# KiCad board KeyBoard.kicad_pcb (continued)
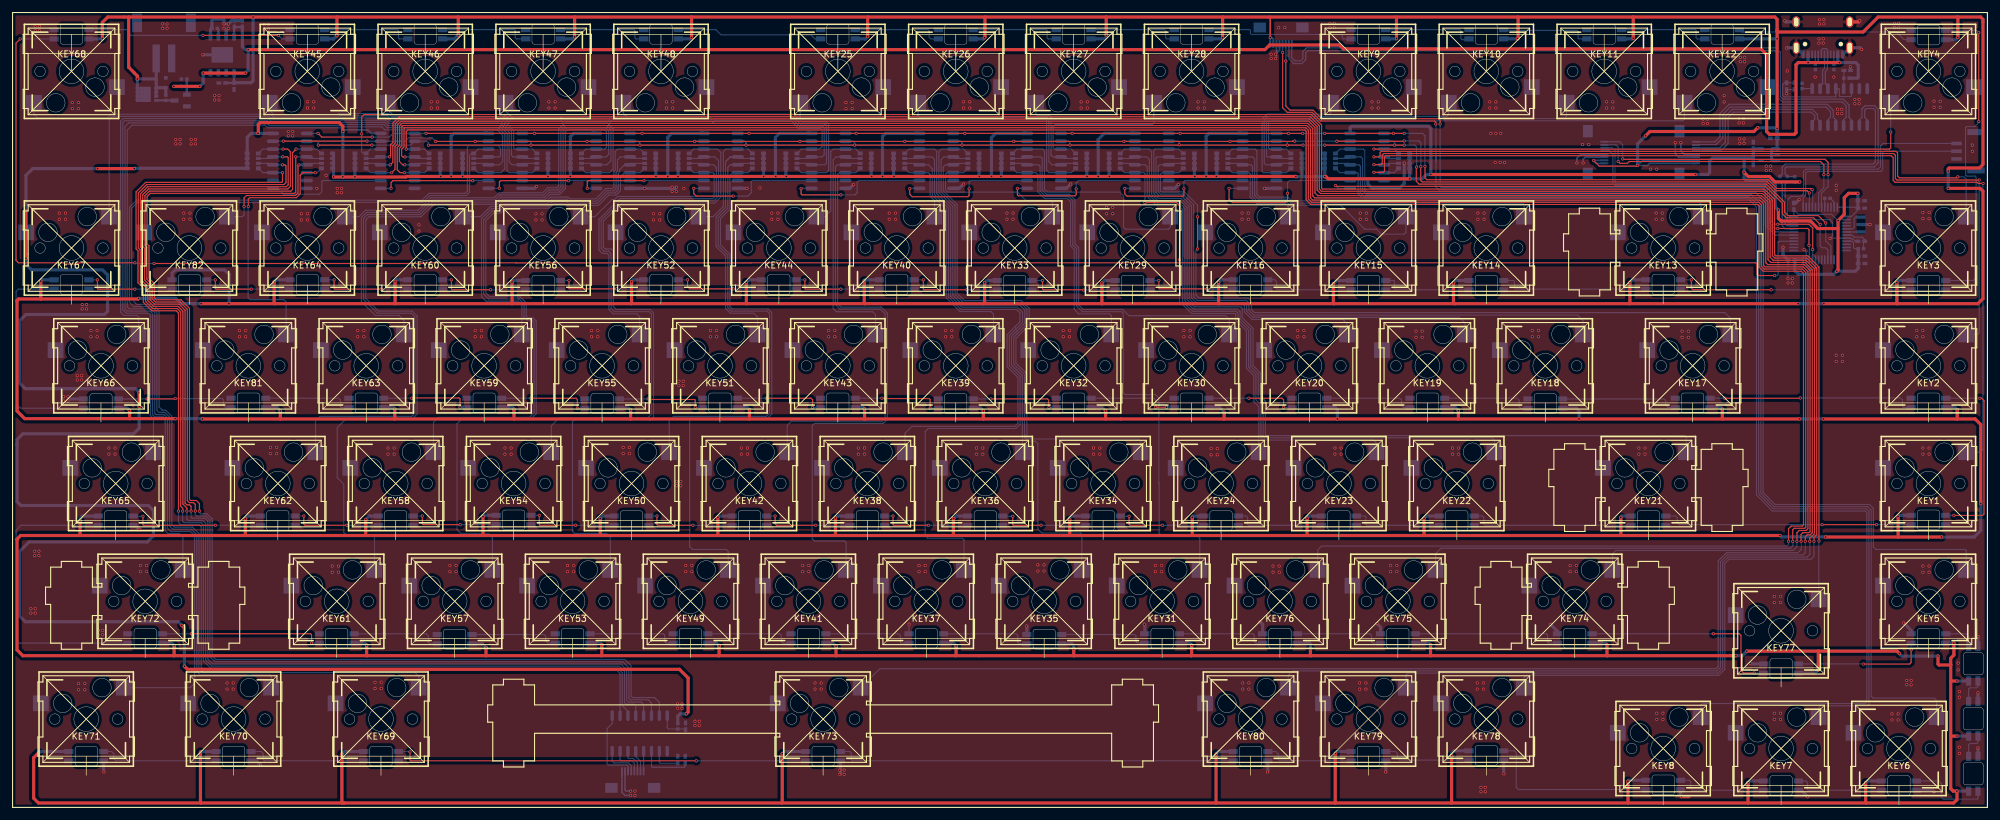
[diagram p0: board, top side]
## Footprints (pads in the part's own frame, mm; a bottom-side part is the same pattern mirrored in y, then rotated)
C0402
  rect 0.79x0.54 smd: 1(-0.545,0) 2(0.545,0)
CONN-SMD_2P-P2.50_HCTL_HC-XH-2ALT
  rect 1.2x4.5 smd: 1(-1.25,2.875) 2(1.25,2.875)
  rect 1.6x3 smd: 3(4.35,-2.875) 4(-4.35,-2.875)
CONN-TH_3P-P1.25_GH1.25
  rect 0.6x1.7 smd: 1(-1.25,1.575) 2(0,1.575) 3(1.25,1.575)
  rect 1x2.8 smd: 4(3.1,-1.575) 5(-3.1,-1.575)
ESOP-8_L4.9-W3.9-P1.27-LS6.0-BL-EP
  rect 0.6x1.2 smd: 1(-1.905,-2.909) 2(-0.635,-2.909) 3(0.635,-2.909) 4(1.905,-2.909) 5(1.905,2.909) 6(0.635,2.909) 7(-0.635,2.909) 8(-1.905,2.909)
  rect 3.5x2.5 smd: 9(0,0)
FPC-SMD_P0.50-8P_FGS-XJ-H2.0
  rect 0.3x1.3 smd: 1(-1.75,-1.34) 2(-1.252,-1.339) 3(-0.75,-1.34) 4(-0.25,-1.34) 5(0.25,-1.34) 6(0.75,-1.34) 7(1.25,-1.34) 8(1.75,-1.34)
  rect 2x1.6 smd: 9(3.45,1.34) 10(-3.45,1.34)
LED-SMD_L3.2-W2.8_YO-WS2812B-3528A
  rect 1.5x0.82 smd: 1(2.8,0.75) 2(2.8,-0.75) 3(-2.8,-0.75) 4(-2.8,0.75)
LQFP-48_L7.0-W7.0-P0.50-LS9.0-BL
  oval 0.27x1.5 smd: 1(-2.75,-4.25) 2(-2.25,-4.25) 3(-1.75,-4.25) 4(-1.25,-4.25) 5(-0.75,-4.25) 6(-0.25,-4.25) 7(0.25,-4.25) 8(0.75,-4.25) 9(1.25,-4.25) 10(1.75,-4.25) 11(2.25,-4.25) 12(2.75,-4.25) 25(2.75,4.25) 26(2.25,4.25) 27(1.75,4.25) 28(1.25,4.25) 29(0.75,4.25) 30(0.25,4.25) 31(-0.25,4.25) 32(-0.75,4.25) 33(-1.25,4.25) 34(-1.75,4.25) 35(-2.25,4.25) 36(-2.75,4.25)
  oval 1.5x0.27 smd: 13(4.25,-2.75) 14(4.25,-2.25) 15(4.25,-1.75) 16(4.25,-1.25) 17(4.25,-0.75) 18(4.25,-0.25) 19(4.25,0.25) 20(4.25,0.75) 21(4.25,1.25) 22(4.25,1.75) 23(4.25,2.25) 24(4.25,2.75) 37(-4.25,2.75) 38(-4.25,2.25) 39(-4.25,1.75) 40(-4.25,1.25) 41(-4.25,0.75) 42(-4.25,0.25) 43(-4.25,-0.25) 44(-4.25,-0.75) 45(-4.25,-1.25) 46(-4.25,-1.75) 47(-4.25,-2.25) 48(-4.25,-2.75)
OSC-SMD_3P-L3.2-W1.3-P1.20
  rect 0.5x1.5 smd: 1(-1.2,0) 2(0,0) 3(1.2,0)
POWERTDFN-8_L3.1-W3.1-P0.65-LS3.3-BL
  rect 0.4x0.7 smd: 1(-0.975,-1.485) 2(-0.325,-1.485) 3(0.325,-1.485) 4(0.975,-1.485) 5(0.975,1.485) 6(0.325,1.485) 7(-0.325,1.485) 8(-0.975,1.485)
  rect 2.48x1.8 smd: 8(0,0.285)
R0402
  rect 0.566x0.54 smd: 1(-0.433,0) 2(0.433,0)
RES-ARRAY-SMD_0603-8P-L3.2-W1.6-BL
  rect 0.65x0.8 smd: 1(-1.2,-0.9) 4(1.2,-0.9) 5(1.2,0.9) 8(-1.2,0.9)
  rect 0.5x0.8 smd: 2(-0.4,-0.9) 3(0.4,-0.9) 6(0.4,0.9) 7(-0.4,0.9)
SOD-523_L1.2-W0.8-LS1.6-FD
  rect 0.6x0.6 smd: 1(-0.8,0) 2(0.8,0)
SOIC-16_L9.9-W3.9-P1.27-LS6.0-BL
  oval 0.602x1.971 smd: 1(-4.445,-2.736) 2(-3.175,-2.736) 3(-1.905,-2.736) 4(-0.635,-2.736) 5(0.635,-2.736) 6(1.905,-2.736) 7(3.175,-2.736) 8(4.445,-2.736) 9(4.445,2.736) 10(3.175,2.736) 11(1.905,2.736) 12(0.635,2.736) 13(-0.635,2.736) 14(-1.905,2.736) 15(-3.175,2.736) 16(-4.445,2.736)
SOP-16
  oval 0.6x1.801 smd: 1(-4.445,-2.972) 2(-3.175,-2.972) 3(-1.905,-2.972) 4(-0.635,-2.972) 5(0.635,-2.972) 6(1.905,-2.972) 7(3.175,-2.972) 8(4.445,-2.972) 9(4.445,2.972) 10(3.175,2.972) 11(1.905,2.972) 12(0.635,2.972) 13(-0.635,2.972) 14(-1.905,2.972) 15(-3.175,2.972) 16(-4.445,2.972)
SOP-16_L10.0-W3.9-P1.27-LS6.0-BL
  oval 0.56x1.745 smd: 1(-4.445,-2.873) 2(-3.175,-2.873) 3(-1.905,-2.873) 4(-0.635,-2.873) 5(0.635,-2.873) 6(1.905,-2.873) 7(3.175,-2.873) 8(4.445,-2.873) 9(4.445,2.873) 10(3.175,2.873) 11(1.905,2.873) 12(0.635,2.873) 13(-0.635,2.873) 14(-1.905,2.873) 15(-3.175,2.873) 16(-4.445,2.873)
SOT-23-3_L2.9-W1.3-P1.90-LS2.4-BR
  rect 1.25x0.7 smd: 1(1,-0.95) 2(1,0.95) 3(-1,0)
SOT-25_L3.0-W1.6-P0.95-LS2.8-BL
  rect 0.5x0.899 smd: 1(-0.95,-1.3) 2(0,-1.3) 3(0.95,-1.3) 4(0.95,1.3) 5(-0.95,1.3)
USB-C-SMD_TYPE-C-USB-17
  oval 1.199x1.801 hole 0.701x1.399: 0(-4.321,-2.634) 0(4.321,-2.634)
  oval 1.1x1.999 hole 0.701x1.6: 0(-4.321,1.565) 0(4.321,1.565)
  rect 0.5x1.3 smd: A1(-3.2,2.634) A4(-2.401,2.634) A9(2.401,2.634) A12(3.2,2.634)
  rect 0.28x1.3 smd: A5(-1.25,2.634) A6(-0.249,2.634) A7(0.249,2.634) A8(1.25,2.634) B5(1.75,2.634) B6(0.75,2.634) B7(-0.75,2.634) B8(-1.75,2.634)
轴座_焊接热插拔_不带灯A
  rect 2.55x2.55 smd far side: 1(6.066,5.08) 2(-7.335,2.54)

## Nets
+3V3: C5.1 C6.1 C8.1 C9.1 C10.1 C11.1 C12.1 C13.1 R1.5 R1.6 R1.7 R1.8 R2.5 R2.6 R2.7 R2.8 R3.5 R3.6 R3.7 R3.8 R4.5 R4.6 R4.7 R4.8 R5.5 R5.6 R5.7 R5.8 R6.5 R6.6 R6.7 R6.8 R7.5 R7.6 R7.7 R7.8 R8.5 R8.6 R8.7 R8.8 R9.5 R9.6 R9.7 R9.8 R10.5 R10.6 R10.7 R10.8 R11.5 R11.6 R11.7 R11.8 R12.5 R12.6 R12.7 R12.8 R13.5 R13.6 R13.7 R13.8 R14.5 R14.6 R14.7 R14.8 R15.5 R15.6 R15.7 R15.8 R16.5 R16.6 R16.7 R16.8 R17.5 R17.6 R17.7 R17.8 R18.5 R18.6 R18.7 R18.8 R19.5 R19.6 R19.7 R19.8 R20.5 R20.6 R20.7 R20.8 R21.5 R21.6 R21.7 R21.8 R22.5 R22.6 R22.7 R22.8 R23.1 R24.2 R27.2 U1.16 U2.16 U3.16 U4.16 U5.16 U6.16 U7.16 U8.16 U9.16 U10.16 U11.16 U13.1 U13.9 U13.24 U13.36 U13.48 U14.5
+5V: C4.1 C19.2 C20.1 D1.2 FPC2.7 FPC2.8 FPC3.7 FPC3.8 FPC4.7 FPC4.8 LED1.1 LED2.1 LED3.1 LED4.1 LED5.1 LED6.1 LED7.1 LED8.1 LED9.1 LED10.1 LED11.1 LED12.1 LED13.1 LED14.1 LED15.1 LED16.1 LED17.1 LED18.1 LED19.1 LED20.1 LED21.1 LED22.1 LED23.1 LED24.1 LED25.1 LED26.1 LED27.1 LED28.1 LED29.1 LED30.1 LED31.1 LED32.1 LED33.1 LED34.1 LED35.1 LED36.1 LED37.1 LED38.1 LED39.1 LED40.1 LED41.1 LED42.1 LED43.1 LED44.1 LED45.1 LED46.1 LED47.1 LED48.1 LED49.1 LED50.1 LED51.1 LED52.1 LED53.1 LED54.1 LED55.1 LED56.1 LED57.1 LED58.1 LED59.1 LED60.1 LED61.1 LED62.1 LED63.1 LED64.1 LED65.1 LED66.1 LED67.1 LED68.1 LED69.1 LED70.1 LED71.1 LED72.1 LED73.1 LED74.1 LED75.1 LED76.1 LED77.1 LED78.1 LED79.1 LED80.1 LED81.1 LED82.1 LED83.1 LED84.1 LED85.1 Q1.1 Q1.2 Q1.3 Q1.5 Q1.6 Q1.7 Q1.8 R36.1 U14.1 U14.3 U16.1 U17.5
GND: C1.2 C2.1 C3.1 C4.2 C5.2 C6.2 C7.2 C8.2 C9.2 C10.2 C11.2 C12.2 C13.2 C14.2 C15.1 C16.2 C17.1 C18.2 C19.1 C20.2 CN1.3 CN1.4 CN1.5 D1.1 FPC1.1 FPC1.2 FPC1.9 FPC1.10 FPC2.5 FPC2.6 FPC2.9 FPC2.10 FPC3.5 FPC3.6 FPC3.9 FPC3.10 FPC4.5 FPC4.6 FPC4.9 FPC4.10 KEY1.2 KEY2.2 KEY3.2 KEY4.2 KEY5.2 KEY6.2 KEY7.2 KEY8.2 KEY9.2 KEY10.2 KEY11.2 KEY12.2 KEY13.2 KEY14.2 KEY15.2 KEY16.2 KEY17.2 KEY18.2 KEY19.2 KEY20.2 KEY21.2 KEY22.2 KEY23.2 KEY24.2 KEY25.2 KEY26.2 KEY27.2 KEY28.2 KEY29.2 KEY30.2 KEY31.2 KEY32.2 KEY33.2 KEY34.2 KEY35.2 KEY36.2 KEY37.2 KEY38.2 KEY39.2 KEY40.2 KEY41.2 KEY42.2 KEY43.2 KEY44.2 KEY45.2 KEY46.2 KEY47.2 KEY48.2 KEY49.2 KEY50.2 KEY51.2 KEY52.2 KEY53.2 KEY54.2 KEY55.2 KEY56.2 KEY57.2 KEY58.2 KEY59.2 KEY60.2 KEY61.2 KEY62.2 KEY63.2 KEY64.2 KEY65.2 KEY66.2 KEY67.2 KEY68.2 KEY69.2 KEY70.2 KEY71.2 KEY72.2 KEY73.2 KEY74.2 KEY75.2 KEY76.2 KEY77.2 KEY78.2 KEY79.2 KEY80.2 KEY81.2 KEY82.2 LED1.3 LED2.3 LED3.3 LED4.3 LED5.3 LED6.3 LED7.3 LED8.3 LED9.3 LED10.3 LED11.3 LED12.3 LED13.3 LED14.3 LED15.3 LED16.3 LED17.3 LED18.3 LED19.3 LED20.3 LED21.3 LED22.3 LED23.3 LED24.3 LED25.3 LED26.3 LED27.3 LED28.3 LED29.3 LED30.3 LED31.3 LED32.3 LED33.3 LED34.3 LED35.3 LED36.3 LED37.3 LED38.3 LED39.3 LED40.3 LED41.3 LED42.3 LED43.3 LED44.3 LED45.3 LED46.3 LED47.3 LED48.3 LED49.3 LED50.3 LED51.3 LED52.3 LED53.3 LED54.3 LED55.3 LED56.3 LED57.3 LED58.3 LED59.3 LED60.3 LED61.3 LED62.3 LED63.3 LED64.3 LED65.3 LED66.3 LED67.3 LED68.3 LED69.3 LED70.3 LED71.3 LED72.3 LED73.3 LED74.3 LED75.3 LED76.3 LED77.3 LED78.3 LED79.3 LED80.3 LED81.3 LED82.3 LED83.3 LED84.3 LED85.3 Q2.2 R28.2 R29.2 R30.1 R31.1 R32.2 R35.2 R37.1 U1.8 U2.8 U3.8 U4.8 U5.8 U6.8 U7.8 U8.8 U9.8 U10.8 U11.8 U12.1 U13.8 U13.23 U13.35 U13.47 U14.2 U15.16 U16.2 U16.3 U16.4 U17.1 U17.3 U17.9 USBC1.0 USBC1.A1 USBC1.A12 X1.2
VBUS: C17.2 C18.1 R33.2 R34.1 U17.4 U17.8 USBC1.A4 USBC1.A9
/Device/USB_1_DN: R25.2 U15.1
/Device/USB_1_DP: R26.2 R27.1 U15.2
/Device/USB_2_DN: FPC2.1 U15.3
/Device/USB_2_DP: FPC2.2 U15.4
/Device/USB_3_DN: FPC4.1 U15.5
/Device/USB_3_DP: FPC4.2 U15.6
/Device/USB_4_DN: FPC4.3 U15.7
/Device/USB_4_DP: FPC4.4 U15.8
/Device/USB_HUB_DN: U15.10 USBC1.A7 USBC1.B7
/Device/USB_HUB_DP: U15.11 USBC1.A6 USBC1.B6
/KEY/CE: U1.15 U2.15 U3.15 U4.15 U5.15 U6.15 U7.15 U8.15 U9.15 U10.15 U11.15 U13.39
/KEY/DS1: U8.10 U9.9
/KEY/DS2: U4.10 U5.9
/KEY/PL: U1.1 U2.1 U3.1 U4.1 U5.1 U6.1 U7.1 U8.1 U9.1 U10.1 U11.1 U13.40
/KEY/SPI1_CLK: U1.2 U2.2 U3.2 U4.2 U5.2 U6.2 U7.2 U8.2 U9.2 U10.2 U11.2 U13.15
/KEY/SPI1_MISO: U1.9 U13.16
/LED/LED_CE: LED1.4 U13.28
/MCU/I2C1_SCL: FPC3.2 U13.42
/MCU/I2C1_SDA: FPC3.1 U13.43
/MCU/I2C2_SCL: FPC3.3 U13.21
/MCU/I2C2_SDA: FPC3.4 U13.22
/MCU/NRST: C7.1 R24.1 U13.7
/MCU/OSC_IN: U13.5 X1.1
/MCU/OSC_OUT: U13.6 X1.3
/MCU/SPI2_SCK: U13.26
/MCU/SWCLK: CN1.2 U13.37
/MCU/SWDIO: CN1.1 U13.34
/MCU/UART_RX: FPC2.3 U13.31
/MCU/UART_TX: FPC2.4 U13.30
/MCU/USB_D_N: R25.1 U13.32
/MCU/USB_D_P: R26.1 U13.33
LED1: LED12.2 LED13.4
LED2: LED24.2 LED25.4
LED3: LED36.2 LED37.4
LED4: LED48.2 LED49.4
LED5: LED60.2 LED61.4
LED6: LED73.4 LED85.2
Net-(LED1-DOUT): LED1.2 LED2.4
Net-(LED2-DOUT): LED2.2 LED3.4
Net-(LED3-DOUT): LED3.2 LED4.4
Net-(LED4-DOUT): LED4.2 LED5.4
Net-(LED5-DOUT): LED5.2 LED6.4
Net-(LED6-DOUT): LED6.2 LED7.4
Net-(LED7-DOUT): LED7.2 LED8.4
Net-(LED8-DOUT): LED8.2 LED9.4
Net-(LED10-DIN): LED9.2 LED10.4
Net-(LED10-DOUT): LED10.2 LED11.4
Net-(LED11-DOUT): LED11.2 LED12.4
Net-(LED13-DOUT): LED13.2 LED14.4
Net-(LED14-DOUT): LED14.2 LED15.4
Net-(LED15-DOUT): LED15.2 LED16.4
Net-(LED16-DOUT): LED16.2 LED17.4
Net-(LED17-DOUT): LED17.2 LED18.4
Net-(LED18-DOUT): LED18.2 LED19.4
Net-(LED19-DOUT): LED19.2 LED20.4
Net-(LED20-DOUT): LED20.2 LED21.4
Net-(LED21-DOUT): LED21.2 LED22.4
Net-(LED22-DOUT): LED22.2 LED23.4
Net-(LED23-DOUT): LED23.2 LED24.4
Net-(LED25-DOUT): LED25.2 LED26.4
Net-(LED26-DOUT): LED26.2 LED27.4
Net-(LED27-DOUT): LED27.2 LED28.4
Net-(LED28-DOUT): LED28.2 LED29.4
Net-(LED29-DOUT): LED29.2 LED30.4
Net-(LED30-DOUT): LED30.2 LED31.4
Net-(LED31-DOUT): LED31.2 LED32.4
Net-(LED32-DOUT): LED32.2 LED33.4
Net-(LED33-DOUT): LED33.2 LED34.4
Net-(LED34-DOUT): LED34.2 LED35.4
Net-(LED35-DOUT): LED35.2 LED36.4
Net-(LED37-DOUT): LED37.2 LED38.4
Net-(LED38-DOUT): LED38.2 LED39.4
Net-(LED39-DOUT): LED39.2 LED40.4
Net-(LED40-DOUT): LED40.2 LED41.4
Net-(LED41-DOUT): LED41.2 LED42.4
Net-(LED42-DOUT): LED42.2 LED43.4
Net-(LED43-DOUT): LED43.2 LED44.4
Net-(LED44-DOUT): LED44.2 LED45.4
Net-(LED45-DOUT): LED45.2 LED46.4
Net-(LED46-DOUT): LED46.2 LED47.4
Net-(LED47-DOUT): LED47.2 LED48.4
Net-(LED49-DOUT): LED49.2 LED50.4
Net-(LED50-DOUT): LED50.2 LED51.4
Net-(LED51-DOUT): LED51.2 LED52.4
Net-(LED52-DOUT): LED52.2 LED53.4
Net-(LED53-DOUT): LED53.2 LED54.4
Net-(LED54-DOUT): LED54.2 LED55.4
Net-(LED55-DOUT): LED55.2 LED56.4
Net-(LED56-DOUT): LED56.2 LED57.4
Net-(LED57-DOUT): LED57.2 LED58.4
Net-(LED58-DOUT): LED58.2 LED59.4
Net-(LED59-DOUT): LED59.2 LED60.4
Net-(LED61-DOUT): LED61.2 LED62.4
Net-(LED62-DOUT): LED62.2 LED63.4
Net-(LED63-DOUT): LED63.2 LED64.4
Net-(LED64-DOUT): LED64.2 LED65.4
Net-(LED65-DOUT): LED65.2 LED66.4
Net-(LED66-DOUT): LED66.2 LED67.4
Net-(LED67-DOUT): LED67.2 LED68.4
Net-(LED68-DOUT): LED68.2 LED69.4
Net-(LED69-DOUT): LED69.2 LED70.4
Net-(LED70-DOUT): LED70.2 LED71.4
Net-(LED71-DOUT): LED71.2 LED72.4
Net-(LED72-DOUT): LED72.2 LED83.4
Net-(LED73-DOUT): LED73.2 LED74.4
Net-(LED74-DOUT): LED74.2 LED75.4
Net-(LED75-DOUT): LED75.2 LED76.4
Net-(LED76-DOUT): LED76.2 LED77.4
Net-(LED77-DOUT): LED77.2 LED78.4
Net-(LED78-DOUT): LED78.2 LED79.4
Net-(LED79-DOUT): LED79.2 LED80.4
Net-(LED80-DOUT): LED80.2 LED81.4
Net-(LED81-DOUT): LED81.2 LED82.4
Net-(LED83-DOUT): LED83.2 LED84.4
Net-(LED84-DOUT): LED84.2 LED85.4
Net-(Q1-G): Q1.4 Q2.3 R36.2
Net-(Q2-B): Q2.1 R34.2 R35.1
Net-(U1-D0): KEY8.1 R2.4 U1.11
Net-(U1-D1): KEY7.1 R2.3 U1.12
Net-(U1-D2): KEY6.1 R2.2 U1.13
Net-(U1-D3): KEY5.1 R2.1 U1.14
Net-(U1-D4): KEY4.1 R1.4 U1.3
Net-(U1-D5): KEY3.1 R1.3 U1.4
Net-(U1-D6): KEY2.1 R1.2 U1.5
Net-(U1-D7): KEY1.1 R1.1 U1.6
Net-(U1-DS): U1.10 U2.9
Net-(U2-D0): KEY16.1 R4.4 U2.11
Net-(U2-D1): KEY15.1 R4.3 U2.12
Net-(U2-D2): KEY14.1 R4.2 U2.13
Net-(U2-D3): KEY13.1 R4.1 U2.14
Net-(U2-D4): KEY12.1 R3.4 U2.3
Net-(U2-D5): KEY11.1 R3.3 U2.4
Net-(U2-D6): KEY10.1 R3.2 U2.5
Net-(U2-D7): KEY9.1 R3.1 U2.6
Net-(U2-DS): U2.10 U3.9
Net-(U3-D0): KEY24.1 R6.4 U3.11
Net-(U3-D1): KEY23.1 R6.3 U3.12
Net-(U3-D2): KEY22.1 R6.2 U3.13
Net-(U3-D3): KEY21.1 R6.1 U3.14
Net-(U3-D4): KEY20.1 R5.4 U3.3
Net-(U3-D5): KEY19.1 R5.3 U3.4
Net-(U3-D6): KEY18.1 R5.2 U3.5
Net-(U3-D7): KEY17.1 R5.1 U3.6
Net-(U3-DS): U3.10 U4.9
Net-(U4-D0): KEY32.1 R8.4 U4.11
Net-(U4-D1): KEY31.1 R8.3 U4.12
Net-(U4-D2): KEY30.1 R8.2 U4.13
Net-(U4-D3): KEY29.1 R8.1 U4.14
Net-(U4-D4): KEY28.1 R7.4 U4.3
Net-(U4-D5): KEY27.1 R7.3 U4.4
Net-(U4-D6): KEY26.1 R7.2 U4.5
Net-(U4-D7): KEY25.1 R7.1 U4.6
Net-(U5-D0): KEY40.1 R10.4 U5.11
Net-(U5-D1): KEY39.1 R10.3 U5.12
Net-(U5-D2): KEY38.1 R10.2 U5.13
Net-(U5-D3): KEY37.1 R10.1 U5.14
Net-(U5-D4): KEY36.1 R9.4 U5.3
Net-(U5-D5): KEY35.1 R9.3 U5.4
Net-(U5-D6): KEY34.1 R9.2 U5.5
Net-(U5-D7): KEY33.1 R9.1 U5.6
Net-(U5-DS): U5.10 U6.9
Net-(U6-D0): KEY48.1 R12.4 U6.11
Net-(U6-D1): KEY47.1 R12.3 U6.12
Net-(U6-D2): KEY46.1 R12.2 U6.13
Net-(U6-D3): KEY45.1 R12.1 U6.14
Net-(U6-D4): KEY44.1 R11.4 U6.3
Net-(U6-D5): KEY43.1 R11.3 U6.4
Net-(U6-D6): KEY42.1 R11.2 U6.5
Net-(U6-D7): KEY41.1 R11.1 U6.6
Net-(U6-DS): U6.10 U7.9
Net-(U7-D0): KEY56.1 R14.4 U7.11
Net-(U7-D1): KEY55.1 R14.3 U7.12
Net-(U7-D2): KEY54.1 R14.2 U7.13
Net-(U7-D3): KEY53.1 R14.1 U7.14
Net-(U7-D4): KEY52.1 R13.4 U7.3
Net-(U7-D5): KEY51.1 R13.3 U7.4
Net-(U7-D6): KEY50.1 R13.2 U7.5
Net-(U7-D7): KEY49.1 R13.1 U7.6
Net-(U7-DS): U7.10 U8.9
Net-(U8-D0): KEY64.1 R16.4 U8.11
Net-(U8-D1): KEY63.1 R16.3 U8.12
Net-(U8-D2): KEY62.1 R16.2 U8.13
Net-(U8-D3): KEY61.1 R16.1 U8.14
Net-(U8-D4): KEY60.1 R15.4 U8.3
Net-(U8-D5): KEY59.1 R15.3 U8.4
Net-(U8-D6): KEY58.1 R15.2 U8.5
Net-(U8-D7): KEY57.1 R15.1 U8.6
Net-(U9-D0): KEY72.1 R18.4 U9.11
Net-(U9-D1): KEY71.1 R18.3 U9.12
Net-(U9-D2): KEY70.1 R18.2 U9.13
Net-(U9-D3): KEY69.1 R18.1 U9.14
Net-(U9-D4): KEY68.1 R17.4 U9.3
Net-(U9-D5): KEY67.1 R17.3 U9.4
Net-(U9-D6): KEY66.1 R17.2 U9.5
Net-(U9-D7): KEY65.1 R17.1 U9.6
Net-(U10-D0): KEY80.1 R20.4 U10.11
Net-(U10-D1): KEY79.1 R20.3 U10.12
Net-(U10-D2): KEY78.1 R20.2 U10.13
Net-(U10-D3): KEY77.1 R20.1 U10.14
Net-(U10-D4): KEY76.1 R19.4 U10.3
Net-(U10-D5): KEY75.1 R19.3 U10.4
Net-(U10-D6): KEY74.1 R19.2 U10.5
Net-(U10-D7): KEY73.1 R19.1 U10.6
Net-(U10-DS): U10.10 U11.9
Net-(U10-Q7): U9.10 U10.9
Net-(U11-D0): R22.4 U11.11 U12.10
Net-(U11-D1): R22.3 U11.12 U12.11
Net-(U11-D2): R22.2 U11.13 U12.12
Net-(U11-D3): R22.1 U11.14 U12.13
Net-(U11-D4): R21.4 U11.3 U12.14
Net-(U11-D5): R21.3 U11.4 U12.15
Net-(U11-D6): KEY82.1 R21.2 U11.5
Net-(U11-D7): KEY81.1 R21.1 U11.6
Net-(U12-C1): C1.1 U12.2
Net-(U12-CSEL): C2.2 U12.3
Net-(U12-PAD0): FPC1.8 U12.4
Net-(U12-PAD1): FPC1.7 U12.5
Net-(U12-PAD2): FPC1.6 U12.6
Net-(U12-PAD3): FPC1.5 U12.7
Net-(U12-PAD4): FPC1.4 U12.8
Net-(U12-PAD5): FPC1.3 U12.9
Net-(U12-VDD): C3.2 R23.2 U12.16
Net-(U13-BOOT0): R28.1 U13.44
Net-(U13-PB2BOOT1): R29.1 U13.20
Net-(U15-DCP): C14.1 C15.2 U15.12 U15.14
Net-(U15-REXT): R32.1 U15.9
Net-(U15-VCC): C16.1 R33.1 U15.13
Net-(U17-PROG): R37.2 U17.2
Net-(USBC1-CC1): R31.2 USBC1.A5
Net-(USBC1-CC2): R30.2 USBC1.B5

Pads without a net: LED82 2; U1 7; U2 7; U3 7; U4 7; U5 7; U6 7; U7 7; U8 7; U9 7; U10 7; U11 7 10; U13 2 3 4 10 11 12 13 14 17 18 19 25 27 29 38 41 45 46; U14 4; U15 15; U17 6 7; USBC1 A8 B8

## Via types
v1: diameter 0.5, hole 0.3, Top to Bottom, 923 vias

## Routing (per net, layer and track width the routed paths; a pad name or vN(x,y) marks a point on that pad's centre or on a via; arc(x,y) is an arc through that point)
+3V3: length 897.3
  Top w0.508: 294.99,93.68 v1(294.99,94.98) 295.99,95.98 295.99,98.68 296.69,99.38 v1(298.19,99.38) ; 294.99,93.68 294.99,86.98 v1(294.79,86.78) ; 294.99,93.68 291.73,93.68 290.5,94.9 285.77,94.9 285.34,95.33 v1(285.34,96.68) ; v1(53.39,109.38) 53.39,110.23 52.79,110.83 40.04,110.83 39.74,110.53 39.74,109.12 v1(39.69,109.07) ; v1(51.89,102.03) v1(53.39,102.03) v1(55.34,102.03) 63.61,102.03 63.69,102.11 v1(69.19,102.11) v1(70.89,102.11) v1(72.74,102.11) v1(86.54,102.11) v1(90.14,102.11) v1(103.99,102.11) v1(105.89,102.11) v1(107.54,102.11) v1(121.39,102.11) v1(123.34,102.11) v1(125.04,102.11) v1(138.84,102.11) v1(140.59,102.11) v1(142.44,102.11) v1(156.24,102.11) v1(158.19,102.11) v1(159.74,102.11) v1(173.64,102.11) v1(175.44,102.11) v1(177.24,102.11) v1(191.04,102.11) v1(192.89,102.11) v1(194.54,102.11) 207.36,102.11 v1(207.39,102.08) ; v1(27.39,29.48) 27.79,29.08 v1(27.79,26.78) ; v1(27.79,22.88) 28.29,22.38 107.79,22.38 109.19,20.98 109.19,15.48 v1(108.89,15.18) ; v1(229.19,102.43) v1(271.94,102.43) ; v1(225.79,101.73) 212.59,101.73 212.24,102.08 v1(212.05,102.08) ; v1(279.79,102.78) 280.47,102.1 283.9,102.1 284.78,101.23 v1(288.79,101.23) ; v1(19.69,103.38) v1(13.79,103.38) ; v1(2.19,96.58) v1(2.19,88.88) ; v1(20.49,67.18) v1(20.49,64.88)
  Bottom w0.178: C11.1 298.05,97.13 U13.48 ; C11.1 298.2,96.69 297.14,95.63 U13.1 ; C11.1 C12.1 ; v1(294.99,94.98) 294.94,94.98 293.94,95.98 288.59,95.98 C13.1 U13.36 ; C5.1 281.54,106.58 ; C10.1 U13.24 ; C8.1 R24.2 297.64,90.43 297.49,90.58 297.49,91.38 297.24,91.63 U13.9
  Bottom w0.254: v1(53.39,109.38) 53.66,109.65 57.42,109.65 57.99,109.07 U10.16
  Bottom w0.508: R7.5 173.59,102.15 v1(173.64,102.11) ; v1(288.79,101.23) 288.77,101.21 R27.2 ; U8.16 90.68,109.07 90.15,108.54 R16.8 90.15,102.12 v1(90.14,102.11) ; 208.39,102.08 208.38,102.09 R3.8 R3.5 ; 208.39,102.08 v1(212.05,102.08) 212.05,105.76 R2.8 ; 208.39,102.08 v1(207.39,102.08) ; R12.8 124.97,102.17 v1(125.04,102.11) ; v1(159.74,102.11) 159.79,102.16 R8.8 ; v1(191.04,102.11) 190.99,102.16 R5.5 ; v1(70.89,102.11) 70.89,108.63 71.33,109.07 U9.16 ; R24.2 298.24,87.33 298.29,87.28 297.79,86.78 v1(294.79,86.78) 294.29,86.28 288.59,86.28 287.99,86.88 C10.1 ; v1(156.24,102.11) 156.18,102.16 R9.5 ; U4.16 158.88,109.07 158.19,108.38 v1(158.19,102.11) ; v1(298.19,99.38) 298.19,96.99 C11.1 ; U14.5 281.54,106.58 ; v1(19.69,103.38) 19.74,103.43 R22.5 37.94,108.43 38.58,109.07 v1(39.69,109.07) U11.16 ; R6.8 177.21,102.14 v1(177.24,102.11) ; v1(285.34,96.68) 284.84,97.18 284.84,100.88 284.19,101.52 280.04,101.52 279.79,101.78 v1(279.79,102.78) 279.79,105.08 ; 279.79,105.08 274.69,105.08 274.24,104.63 274.24,102.73 273.94,102.43 v1(271.94,102.43) ; 279.79,105.08 C6.1 C5.1 ; v1(175.44,102.11) 175.44,108.08 176.43,109.07 U3.16 ; R10.8 142.38,102.16 v1(142.44,102.11) ; v1(53.39,102.03) v1(53.39,109.38) ; v1(86.54,102.11) 86.54,102.11 R17.5 ; R15.5 103.95,102.15 v1(103.99,102.11) ; v1(108.89,15.18) 107.89,15.18 107.51,14.8 R23.1 ; v1(192.89,102.11) 192.89,108.63 193.33,109.07 U2.16 ; R18.8 72.74,102.11 v1(72.74,102.11) ; R20.8 55.35,102.04 v1(55.34,102.03) ; v1(69.19,102.11) 69.13,102.17 R19.5 ; R13.5 121.36,102.13 v1(121.39,102.11) ; U1.16 216.15,109.99 216.39,110.23 228.79,110.23 229.19,109.83 v1(229.19,102.43) 228.49,102.43 227.79,101.73 v1(225.79,101.73) 225.77,101.75 R1.8 R1.6 R1.5 ; v1(20.49,64.88) 20.49,61.38 19.59,60.48 1.69,60.48 0.75,59.54 0.75,58.68 0.75,58.88 0.75,49.51 1.39,48.88 21.99,48.88 22.79,48.08 22.79,43.98 21.79,42.98 2.69,42.98 1.19,41.48 1.19,30.98 2.09,30.08 26.79,30.08 v1(27.39,29.48) ; v1(140.59,102.11) 140.59,108.58 141.08,109.07 U5.16 ; U6.16 123.93,109.07 123.29,108.43 123.29,102.16 v1(123.34,102.11) ; v1(51.89,102.03) 51.89,105.68 R21.5 ; R11.5 138.77,102.17 v1(138.84,102.11) ; R14.8 107.56,102.13 v1(107.54,102.11) ; v1(2.19,88.88) 2.19,87.89 3.09,86.99 14.57,86.99 15.39,86.18 15.39,80.28 14.89,79.78 2.19,79.78 1.11,78.7 1.11,78.28 1.19,78.2 1.19,68.68 2.09,67.78 19.89,67.78 v1(20.49,67.18) ; U7.16 106.53,109.07 105.89,108.43 v1(105.89,102.11) ; v1(2.19,96.58) 2.19,102.28 3.29,103.38 v1(13.79,103.38) ; v1(27.79,22.88) v1(27.79,26.78) ; R4.8 194.6,102.16 v1(194.54,102.11)
+5V: length 2621.8
  Top w0.178: v1(255.49,104.68) 256.39,103.78 262.49,103.78 v1(262.59,103.88)
  Top w0.254: 203.14,127.9 203.24,127.8 v1(203.24,124.56)
  Top w0.508: 276.34,62.88 276.29,62.93 v1(276.29,64.48) ; 276.34,62.88 v1(288.79,62.88) ; 276.34,62.88 v1(253.14,62.88) 233.54,62.88 ; 156.89,81.53 137.74,81.53 ; 156.89,81.53 176.04,81.53 ; 156.89,81.53 157.09,81.73 v1(157.09,84.93) ; 137.74,81.53 137.64,81.63 v1(137.64,85.23) ; 137.74,81.53 118.59,81.53 ; v1(261.34,84.98) 261.34,81.58 261.29,81.53 ; v1(132.99,46.88) 132.99,44.03 ; 132.99,44.03 152.04,44.03 ; 132.99,44.03 114.09,44.03 ; v1(138.19,124.73) 138.19,127.9 ; 138.19,127.9 109.74,127.9 ; 138.19,127.9 157.14,127.9 ; 233.54,62.88 233.64,62.98 v1(233.64,64.23) ; 233.54,62.88 v1(214.09,62.88) 195.79,62.88 ; 233.04,81.53 213.49,81.53 ; 233.04,81.53 261.29,81.53 ; 233.04,81.53 232.84,81.73 v1(232.84,84.88) ; 213.49,81.53 213.44,81.58 v1(213.44,84.73) ; 213.49,81.53 194.89,81.53 ; v1(304.49,84.93) 304.49,81.53 ; 304.49,81.53 317.59,81.53 318.4,82.33 318.4,99.72 317.94,100.18 v1(312.79,100.18) ; 304.49,81.53 v1(292.69,81.53) ; v1(288.54,81.53) 261.29,81.53 ; 313.19,11.58 313.19,20.48 ; 313.19,11.58 v1(314.19,11.58) ; 313.19,11.58 313.19,3.08 313.59,2.68 v1(314.19,2.68) 314.19,1.28 313.67,0.75 299.54,0.75 ; 313.19,20.48 313.19,23.08 ; 313.19,20.48 v1(314.19,20.48) ; v1(311.14,24.53) 311.14,23.23 311.29,23.08 313.19,23.08 ; 280.44,0.75 261.04,0.75 ; 280.44,0.75 299.54,0.75 ; 280.44,0.75 v1(280.44,4.08) ; 261.04,0.75 v1(261.04,4.28) ; 261.04,0.75 232.54,0.75 ; 152.04,44.03 152.04,46.73 v1(152.09,46.78) ; 152.04,44.03 170.84,44.03 ; v1(176.64,64.18) 176.64,62.88 ; 176.64,62.88 195.79,62.88 ; 176.64,62.88 156.89,62.88 ; 285.14,125.88 285.14,127.53 284.77,127.9 261.89,127.9 ; 285.14,125.88 v1(285.14,124.38) v1(285.14,109.88) ; 285.14,125.88 285.14,125.58 285.24,125.48 299.04,125.48 301.46,127.9 314.29,127.9 ; 171.54,24.58 152.39,24.58 ; 171.54,24.58 190.44,24.58 ; 171.54,24.58 171.49,24.63 v1(171.49,25.63) ; v1(10.94,46.38) 10.94,44.08 10.99,44.03 ; 314.24,62.88 v1(314.24,64.38) ; 314.24,62.88 317.14,62.88 318.04,61.97 v1(318.04,49.18) ; 314.24,62.88 v1(292.64,62.88) ; 157.14,127.9 176.69,127.9 ; 157.14,127.9 157.14,124.63 v1(157.04,124.53) ; 176.69,127.9 176.74,127.85 v1(176.74,124.98) ; 176.69,127.9 195.54,127.9 ; 57.29,24.58 26.09,24.58 ; 57.29,24.58 57.24,24.63 v1(57.24,26.28) ; 57.29,24.58 76.54,24.58 ; v1(76.54,25.88) 76.54,24.58 ; 76.54,24.58 95.19,24.58 ; v1(4.24,8.88) 3.44,8.08 3.44,1.53 4.21,0.75 30.44,0.75 ; v1(259.89,46.98) 259.89,44.03 ; 259.89,44.03 228.09,44.03 ; 259.89,44.03 v1(285.59,44.03) ; 114.09,44.03 113.99,44.13 v1(113.99,46.98) ; 114.09,44.03 95.09,44.03 ; 4.59,82.29 1,82.29 0.75,82.04 0.75,64.16 1.99,62.93 18.94,62.93 ; 4.59,82.29 v1(4.59,85.18) ; 4.59,82.29 20.3,82.29 v1(20.39,82.38) ; v1(57.09,46.58) 57.09,44.08 57.14,44.03 ; 100.04,81.53 80.74,81.53 ; 100.04,81.53 v1(100.04,85.08) ; 100.04,81.53 118.59,81.53 ; 80.74,81.53 61.84,81.53 ; 80.74,81.53 v1(80.74,85.03) ; 152.39,24.58 152.49,24.68 v1(152.49,26.18) ; 152.39,24.58 133.09,24.58 ; 156.89,62.88 137.69,62.88 ; 156.89,62.88 v1(156.89,64.18) ; 190.44,24.58 209.79,24.58 ; 190.44,24.58 190.54,24.68 v1(190.54,26.28) ; 209.79,24.58 229.14,24.58 ; 209.79,24.58 209.74,24.63 v1(209.74,25.68) ; 18.79,127.9 v1(38.89,127.9) 52.44,127.9 ; 18.79,127.9 15.41,127.9 14.54,127.03 v1(14.54,124.38) ; 18.79,127.9 18.79,119.78 20.19,118.38 v1(20.19,117.88) ; 213.74,0.75 194.49,0.75 ; 213.74,0.75 232.54,0.75 ; 213.74,0.75 v1(213.74,8.78) ; 194.49,0.75 v1(194.49,8.68) ; 194.49,0.75 124.39,0.75 ; v1(228.09,46.83) 228.09,44.03 ; 228.09,44.03 209.19,44.03 ; 195.79,62.88 v1(195.79,63.98) ; 81.04,62.88 v1(81.04,64.48) ; 81.04,62.88 61.74,62.88 ; 81.04,62.88 99.89,62.88 ; v1(109.74,124.58) 109.74,127.9 ; 109.74,127.9 90.84,127.9 ; 18.94,62.93 18.94,64.23 v1(18.89,64.28) ; 18.94,62.93 v1(26.29,62.93) ; v1(30.39,8.98) 30.39,0.8 30.44,0.75 ; 26.09,24.58 26.14,24.63 v1(26.14,26.23) ; 26.09,24.58 1.69,24.58 0.75,25.51 0.75,43.44 1.34,44.03 10.99,44.03 ; 30.44,0.75 53.64,0.75 ; v1(223.64,124.43) 223.64,127.9 ; 133.09,24.58 v1(133.09,26.08) ; 133.09,24.58 114.14,24.58 ; v1(243.24,124.38) 243.29,124.43 243.29,127.9 ; 209.19,44.03 190.64,44.03 ; 209.19,44.03 v1(209.19,46.83) ; 61.84,81.53 42.39,81.53 ; 61.84,81.53 v1(61.84,85.13) ; 42.39,81.53 v1(34.99,81.53) v1(30.49,81.53) ; 42.39,81.53 42.29,81.63 v1(42.29,85.08) ; 291.79,25.33 304.49,25.33 v1(304.89,24.93) ; 291.79,25.33 v1(280.24,25.33) ; 291.79,25.33 v1(291.79,22.28) ; 313.19,23.08 313.19,24.18 313.69,24.68 v1(313.69,26.63) ; v1(61.79,64.48) 61.79,62.93 61.74,62.88 ; 53.64,0.75 53.29,0.75 53.24,0.8 v1(53.24,8.68) ; 53.64,0.75 124.39,0.75 ; 195.54,127.9 243.29,127.9 ; 195.54,127.9 v1(195.54,124.53) ; v1(118.59,84.98) 118.59,81.53 ; v1(119.09,64.38) 119.09,62.88 ; 119.09,62.88 137.69,62.88 ; 119.09,62.88 99.89,62.88 ; v1(90.84,124.68) 90.84,127.9 ; 90.84,127.9 72.04,127.9 ; v1(304.69,47.13) 304.69,43.78 ; 304.69,43.78 v1(292.99,43.78) ; 304.69,43.78 v1(311.69,43.78) ; v1(190.64,46.98) 190.64,44.03 ; 190.64,44.03 170.84,44.03 ; v1(124.39,8.73) 124.39,0.75 ; 137.69,62.88 137.69,64.48 v1(137.64,64.53) ; 52.44,127.9 72.04,127.9 ; 52.44,127.9 v1(52.44,124.88) ; 72.04,127.9 v1(72.04,124.98) ; 10.99,44.03 37.59,44.03 ; 75.99,44.03 76.04,44.08 v1(76.04,47.08) ; 75.99,44.03 95.09,44.03 ; 75.99,44.03 57.14,44.03 ; 257.69,24.58 257.64,24.63 v1(257.64,26.38) ; 257.69,24.58 229.14,24.58 ; 257.69,24.58 v1(278.49,24.58) ; v1(263.89,108.68) 264.59,109.38 281.39,109.38 v1(281.99,109.98) ; 61.74,62.88 43.29,62.88 ; v1(176.04,84.88) 176.04,81.53 ; 176.04,81.53 194.89,81.53 ; 43.29,62.88 v1(43.29,64.18) ; 43.29,62.88 v1(30.69,62.88) ; 95.19,24.58 95.24,24.63 v1(95.24,26.38) ; 95.19,24.58 114.14,24.58 ; 243.29,127.9 261.89,127.9 ; 261.89,127.9 v1(261.89,124.48) ; 170.84,44.03 v1(170.84,46.53) ; 95.09,44.03 94.99,44.13 v1(94.99,46.78) ; 37.59,44.03 57.14,44.03 ; 37.59,44.03 37.64,44.08 v1(37.64,46.73) ; 229.14,24.58 v1(229.14,26.33) ; 194.89,81.53 v1(194.89,84.98) ; 314.29,127.9 314.34,127.85 v1(314.34,124.58) ; 314.29,127.9 318.02,127.9 318.4,127.52 318.4,104.03 317.84,103.48 312.94,103.48 312.79,103.33 v1(312.79,102.98) ; 99.89,62.88 v1(99.89,64.33) ; 232.54,0.75 v1(232.54,8.38) ; 114.14,24.58 114.19,24.63 v1(114.19,26.18) ; 299.54,0.75 299.44,0.85 v1(299.44,4.03)
  Bottom w0.178: U14.1 C4.1
  Bottom w0.254: FPC4.7 263.44,104.73 v1(262.59,103.88) 264.19,103.88 264.54,104.23 FPC4.8 ; FPC3.8 255.94,104.23 v1(255.49,104.68) 255.54,104.73 FPC3.7 ; FPC2.8 v1(203.24,124.56) 203.51,124.56 203.74,124.33 FPC2.7
  Bottom w0.381: C20.1 35.76,117.23 C19.2 35.82,117.28 U17.5
  Bottom w0.508: C4.1 v1(285.14,109.88) ; v1(285.14,109.88) U14.1 284.39,106.58 284.24,106.43 284.24,104.88 284.44,104.68 U14.3 ; v1(285.14,109.88) 285.04,109.98 v1(281.99,109.98) ; LED33.1 80.79,64.73 v1(81.04,64.48) ; v1(261.34,84.98) 261.75,85.39 LED16.1 ; v1(278.49,24.58) 279.49,24.58 v1(280.24,25.33) ; LED22.1 137.8,85.39 v1(137.64,85.23) ; v1(30.49,81.53) 27.24,81.53 26.39,82.38 v1(20.39,82.38) ; v1(99.89,64.33) 99.6,64.61 LED34.1 ; v1(113.99,46.98) 114.19,47.18 LED53.1 ; LED59.1 25.74,26.63 v1(26.14,26.23) ; v1(138.19,124.73) 137.81,124.35 LED6.1 ; LED23.1 119,85.39 v1(118.59,84.98) ; LED29.1 4.8,85.39 v1(4.59,85.18) ; v1(280.44,4.08) 280.68,4.31 LED74.1 ; v1(285.59,44.03) 285.81,43.81 292.96,43.81 v1(292.99,43.78) ; v1(94.99,46.78) 95.39,47.18 LED54.1 ; LED79.1 124.74,9.08 v1(124.39,8.73) ; LED75.1 261.19,4.43 v1(261.04,4.28) ; LED30.1 18.55,64.61 v1(18.89,64.28) ; v1(209.74,25.68) 209.74,26.43 209.54,26.63 LED68.1 ; LED25.1 80.99,85.28 v1(80.74,85.03) ; LED82.1 9.13,9.08 4.44,9.08 v1(4.24,8.88) ; LED27.1 42.6,85.39 v1(42.29,85.08) ; v1(190.64,46.98) 190.84,47.18 LED49.1 ; C19.2 38.59,117.28 38.89,117.58 v1(38.89,127.9) ; v1(232.54,8.38) 232.54,8.83 232.9,9.19 LED76.1 ; LED51.1 152.49,47.18 v1(152.09,46.78) ; LED12.1 261.76,124.35 v1(261.89,124.48) ; v1(61.79,64.48) 61.54,64.73 LED32.1 ; LED18.1 213.99,85.28 v1(213.44,84.73) ; LED1.1 14.51,124.35 v1(14.54,124.38) ; v1(209.19,46.83) 209.54,47.18 LED48.1 ; v1(156.89,64.18) 156.45,64.61 LED37.1 ; v1(133.09,26.08) 132.54,26.63 LED64.1 ; v1(30.39,8.98) 30.49,9.08 LED81.1 ; v1(132.99,46.88) 133.29,47.18 LED52.1 ; v1(171.49,25.63) 171.49,26.23 171.2,26.51 LED66.1 ; LED2.1 51.91,124.35 v1(52.44,124.88) ; v1(285.14,124.38) 285.11,124.35 LED13.1 ; v1(76.54,25.88) 75.9,26.51 LED61.1 ; LED58.1 11.34,47.18 10.94,46.78 v1(10.94,46.38) ; v1(37.64,46.73) 38.09,47.18 LED57.1 ; LED65.1 152.04,26.63 v1(152.49,26.18) ; LED71.1 291.26,21.75 v1(291.79,22.28) ; v1(228.09,46.83) 228.44,47.18 LED47.1 ; v1(223.64,124.43) 223.56,124.35 LED10.1 ; LED46.1 260.09,47.18 v1(259.89,46.98) ; v1(61.84,85.13) 62.1,85.39 LED26.1 ; R36.1 D1.2 23.34,116.46 Q1.1 ; v1(190.54,26.28) 190.19,26.63 LED67.1 ; v1(257.64,26.38) 257.39,26.63 LED70.1 ; v1(213.74,8.78) 214.04,9.08 LED77.1 ; LED19.1 195.3,85.39 v1(194.89,84.98) ; v1(57.24,26.28) 56.89,26.63 LED60.1 ; v1(109.74,124.58) 109.51,124.35 LED5.1 ; v1(114.19,26.18) 113.74,26.63 LED63.1 ; v1(100.04,85.08) 100.35,85.39 LED24.1 ; LED78.1 194.89,9.08 v1(194.49,8.68) ; LED45.1 304.85,47.29 v1(304.69,47.13) ; v1(312.79,102.98) v1(312.79,100.18) ; LED80.1 53.64,9.08 v1(53.24,8.68) ; LED11.1 240.98,124.38 v1(243.24,124.38) ; v1(195.54,124.53) 195.36,124.35 LED9.1 ; v1(313.69,26.63) LED72.1 ; LED8.1 176.56,124.35 176.74,124.53 v1(176.74,124.98) ; LED62.1 94.99,26.63 v1(95.24,26.38) ; v1(43.29,64.18) 42.74,64.73 LED31.1 ; LED83.1 v1(314.19,20.48) ; 23.24,117.78 Q1.3 ; 23.24,117.78 U16.1 ; 23.24,117.78 23.14,117.88 v1(20.19,117.88) 20.19,114.49 Q1.5 Q1.8 20.2,116.43 ; v1(304.89,24.93) 305.29,24.53 v1(311.14,24.53) ; v1(195.79,63.98) 195.04,64.73 LED39.1 ; v1(119.09,64.38) 118.74,64.73 LED35.1 ; v1(263.89,108.68) 262.59,107.38 v1(262.59,103.88) ; v1(26.29,62.93) 30.64,62.93 v1(30.69,62.88) ; LED36.1 137.44,64.73 v1(137.64,64.53) ; LED28.1 25.8,86.49 26.31,86.99 34.27,86.99 35.04,86.23 35.04,81.58 v1(34.99,81.53) ; v1(90.84,124.68) 90.51,124.35 LED4.1 ; v1(170.84,46.53) 170.84,46.88 171.14,47.18 LED50.1 ; v1(57.09,46.58) 57.69,47.18 LED56.1 ; v1(304.49,84.93) 304.84,85.28 LED15.1 ; v1(176.64,64.18) 176.09,64.73 LED38.1 ; LED7.1 156.86,124.35 v1(157.04,124.53) ; v1(314.24,64.38) 313.89,64.73 LED44.1 ; v1(299.44,4.03) 299.73,4.31 LED73.1 ; v1(288.79,62.88) v1(292.64,62.88) ; LED40.1 213.74,64.73 214.09,64.38 v1(214.09,62.88) ; v1(72.04,124.98) 71.41,124.35 LED3.1 ; LED85.1 v1(314.19,2.68) ; v1(157.09,84.93) 157.44,85.28 LED21.1 ; v1(276.29,64.48) 276.04,64.73 LED43.1 ; LED69.1 228.84,26.63 v1(229.14,26.33) ; v1(232.84,84.88) 233.24,85.28 LED17.1 ; v1(292.69,81.53) v1(288.54,81.53) ; v1(314.34,124.58) 314,124.24 LED14.1 ; LED84.1 v1(314.19,11.58) ; LED55.1 76.25,47.29 v1(76.04,47.08) ; v1(176.04,84.88) 176.44,85.28 LED20.1 ; LED41.1 233.14,64.73 v1(233.64,64.23) ; v1(311.69,43.78) 316.99,43.78 318.04,44.83 v1(318.04,49.18) ; LED42.1 252.7,64.61 253.14,64.18 v1(253.14,62.88)
